# Altium PCB Mainboard.PcbDoc (part 2 of 4)
Units mm, origin at the board's own origin, x right, y up, seen from the top; angles counter-clockwise.
Board outline 90 x 160 mm, 2 copper layers (L1_Top, L14_Bot), stack 1.67 mm thick; 337 components, 184 nets, 933 pads, 776 vias.
Unrouted connection lines stored in the file: 3.
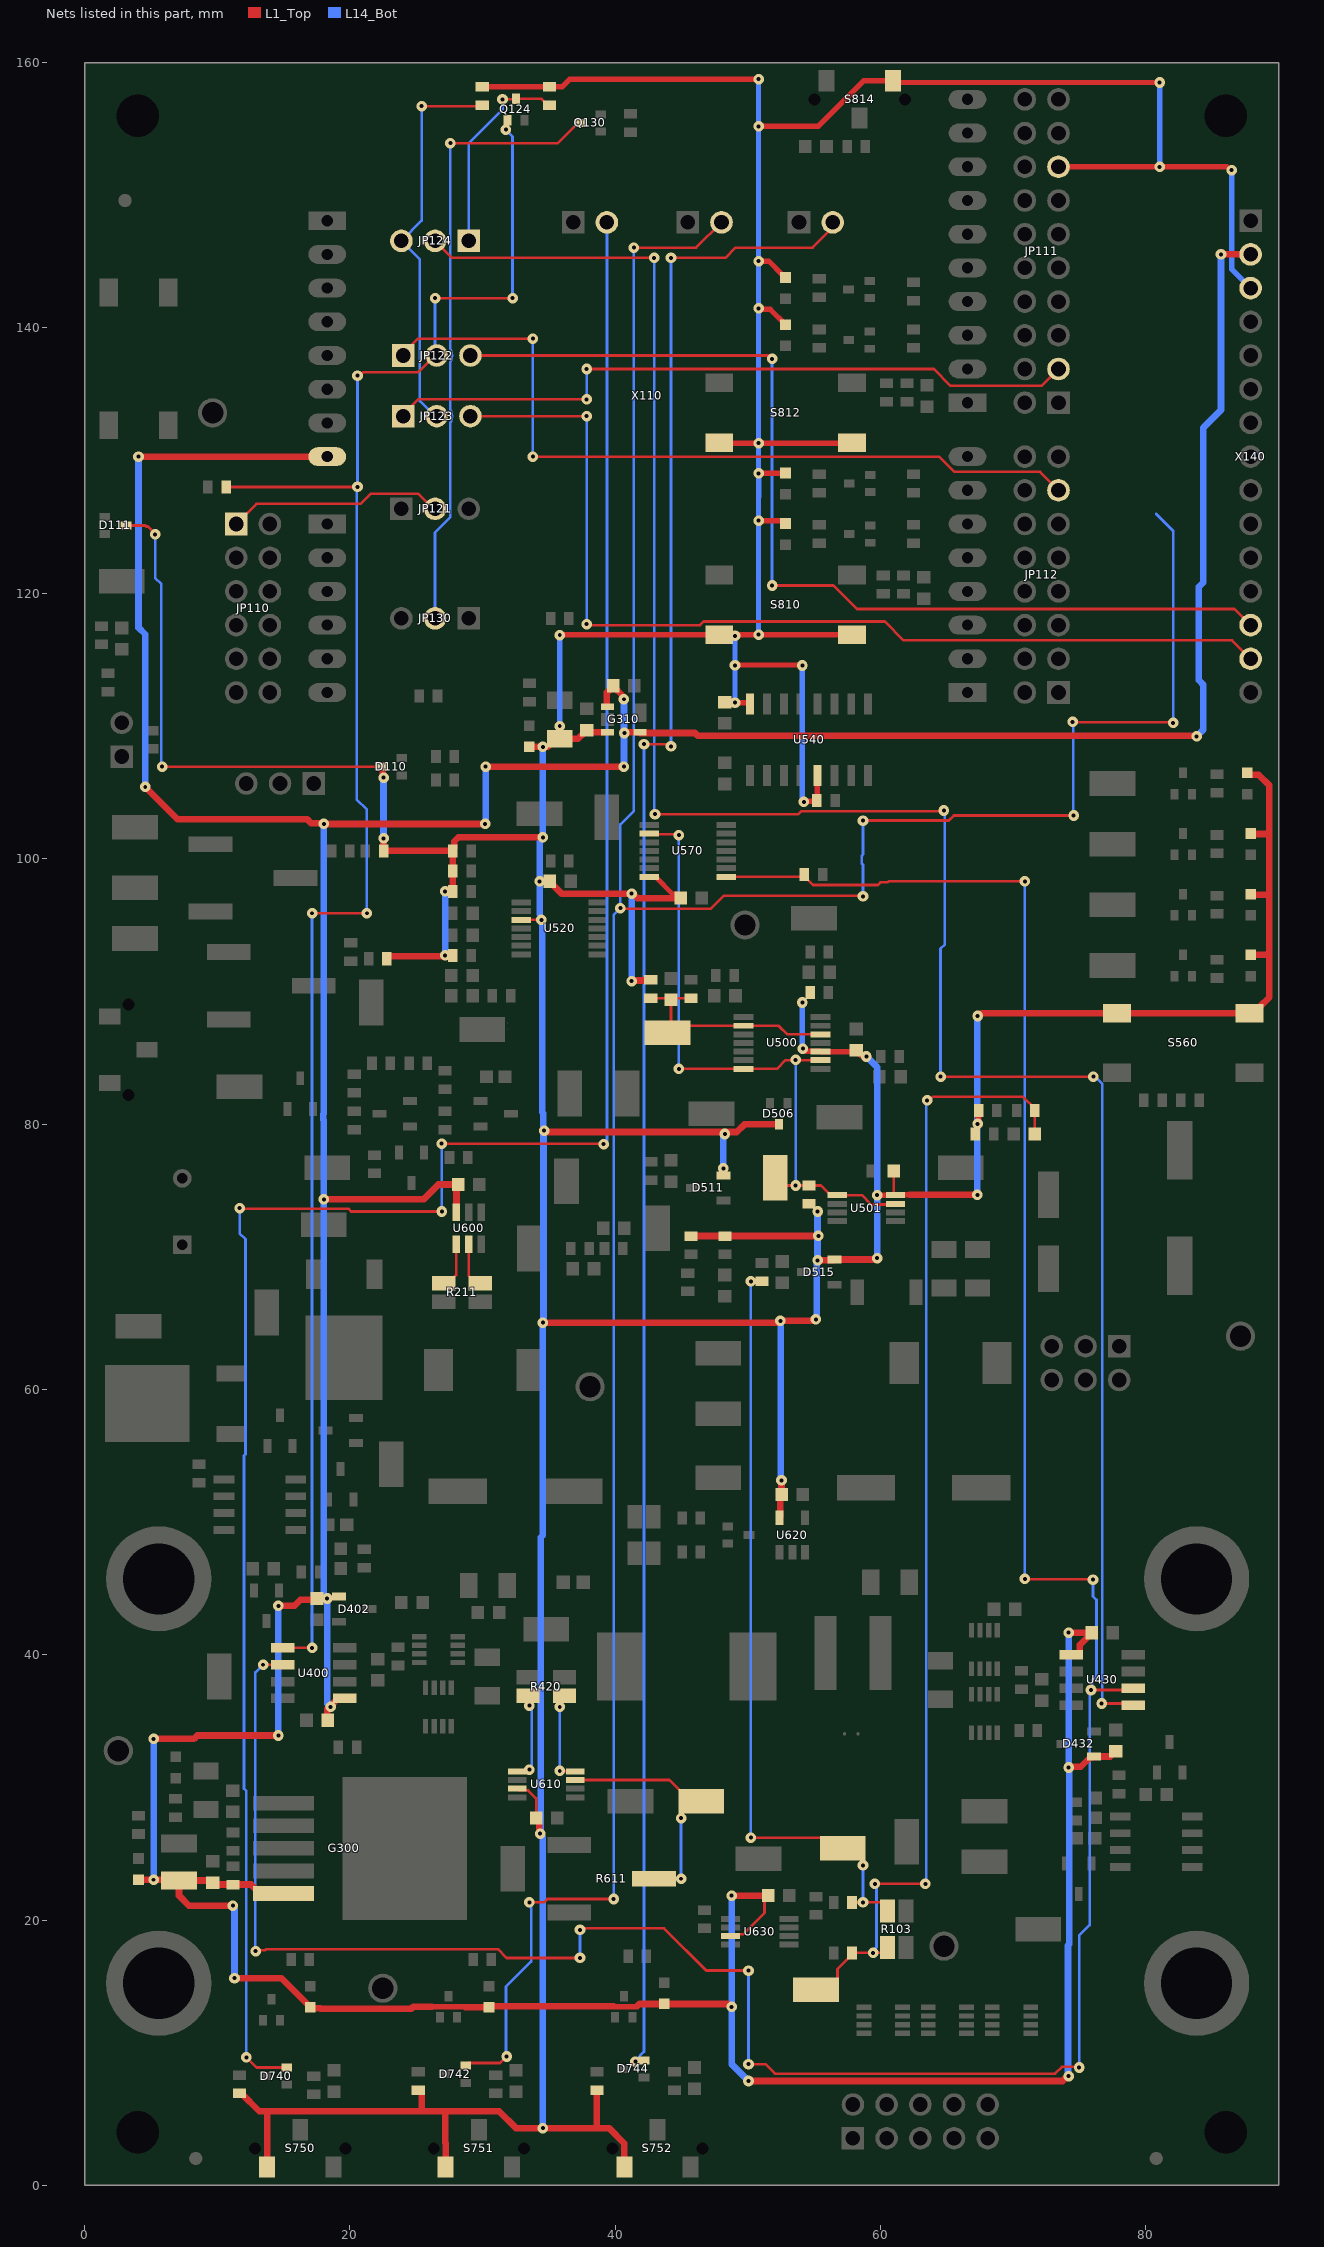
[diagram p2: the nets of this part, all layers, seen from the top]

## Part data
C204 C411 C441: library part 309974, "CAP / CERA / 10nF / 50V / 10% / X8R (EIA) / -55°C to 150°C / 0603(1608) / SMD / -", Legacy PartNumber=CAP01010834, Manufacturer="TDK Corporation", Package Description="Capacitor,non-polarized,Chip;1.60mm L X 0.80mm W X 0.90mm H", Package Imperial=0603, Package Metric=1608, Supplier Part Number 1=1844454, Temperature max=150, Temperature min=-55, Temperature Range=Military, Tolerance Neg=10%, Voltage DC (max)=50V, Alternate View=Yes, Article Number=309974, Automotive Qualified=No, Combined Parameters="TC:X8R (EIA);Tol.:-10%/+10%;Vdc:50V", ComponentLink1Description="Vendor WebSite", ComponentLink1URL=http://www.tdk.com, ComponentLink2Description=Datasheet, ComponentLink2URL=http://webnetprod.muc.infineon.com/PCBPortal_Prod/WorkFlows/AltiumComponent/StandardDocumentation?Versionid=309975, ComponentStatus=Released, Legacy DeviceID=CAP01010834, Manufacturer Order Number=C1608X8R1H103K080AA, Multiple Parts=No, PackageReference="0603 (1608)", Part Type=Capacitor, PLMStatus=Active, QuickPick="10nF / 50V / 10% / X8R (EIA) / 0603 (1608)", ROHS Compliant=Y, Second Source allowed=Yes, Style=Single, Supplier 1=Farnell, Supplier 2=DigiKey, Supplier 3=Mouser, Supplier Part Number 2=445-2504-2-ND, Supplier Part Number 3=810-C1608X8R1H103K, Symbol Type="Capacitor; Single; Standard; 2 Pins", Technology=Ceramic, Tolerance Pos=10%, Type=Standard, Version Number=V01
C210: library part 646789, "CAP / ELCO / 1mF / 35V / 20% / Aluminiumelectrolytic / -40°C to 105°C / 5.00mm C X 0.60mm W 13.00mm Dia X 27.00mm H / - / -", Manufacturer=Kemet, Package Description="Capacitor,polarized,Radial;5.00mm C X 0.60mm W 13.00mm Dia X 27.00mm H", Supplier Part Number 1=2835188, Temperature max=105, Temperature min=-40, Temperature Range=Industrial, Tolerance Neg=20%, Voltage DC (max)=35V, Alternate View=Yes, Application=Standard, Article Number=646789, Automotive Qualified=No, Combined Parameters=TC:Aluminiumelectrolytic;Tol.:-20%/+20%;Vdc:35V, ComponentLink1Description="Vendor WebSite", ComponentLink1URL=http://www.kemet.com, ComponentLink2Description=Datasheet, ComponentLink2URL=http://webnetprod.muc.infineon.com/PCBPortal_Prod/WorkFlows/AltiumComponent/StandardDocumentation?Versionid=646790, ComponentStatus=Released, Manufacturer Order Number=ESY108M035AL4AA, Multible Parts=No, PackageReference=Radial, Part Type=Capacitor, PLMStatus=Active, QuickPick="1mF / 35V / 20% / Aluminiumelectrolytic / Radial", ROHS Compliant=Y, Second Source allowed=Yes, Style=Single, Supplier 1=Farnell, Supplier 2=DigiKey, Supplier 3=Mouser, Supplier Part Number 2=399-6120-ND, Supplier Part Number 3=80-ESY108M035AL4AA, Symbol Type="Capacitor; Single; Polarized; 2 Pins; Pin 1 Positive", Technology=Electrolytic, Tolerance Pos=20%, Type=Polarized, Version Number=V01
C211 C702 C710: library part 646791, "CAP / ELCO / 220uF / 50V / 20% / Aluminiumelectrolytic / -55°C to 105°C / 10.30mm L X 10.30mm W X 10.50mm H / SMD / -", Manufacturer="Wurth Elektronik", Package Description="Capacitor,Aluminum Electrolytic;10.30mm L X 10.30mm W X 10.50mm H", Supplier Part Number 1=2466345, Temperature max=105, Temperature min=-55, Temperature Range=Military, Tolerance Neg=20%, Voltage DC (max)=50V, Alternate View=Yes, Application=Standard, Article Number=646791, Automotive Qualified=No, Combined Parameters=TC:Aluminiumelectrolytic;Tol.:-20%/+20%;Vdc:50V, ComponentLink1Description="Vendor WebSite", ComponentLink1URL=http://www.we-online.com, ComponentLink2Description=Datasheet, ComponentLink2URL=http://webnetprod.muc.infineon.com/PCBPortal_Prod/WorkFlows/AltiumComponent/StandardDocumentation?Versionid=646792, ComponentStatus=Released, Manufacturer Order Number=865080657018, Multible Parts=No, PackageReference=SMD, Part Type=Capacitor, PLMStatus=Active, QuickPick="220uF / 50V / 20% / Aluminiumelectrolytic / SMD", ROHS Compliant=Y, Second Source allowed=Yes, Style=Single, Supplier 1=Farnell, Supplier 2=DigiKey, Supplier 3=Mouser, Supplier Part Number 2=732-8463-1-ND, Supplier Part Number 3=710-865080657018, Symbol Type="Capacitor; Single; Polarized; 2 Pins; Pin 1 Positive", Technology=Electrolytic, Tolerance Pos=20%, Type=Polarized, Version Number=V01
C212 C300 C312 C404 C434 C701 C712 C713: library part 648992, "CAP / CERA / 10uF / 50V / 20% / X5R (EIA) / -55°C to 85°C / 1206 (3216) / SMD / -", Manufacturer="Taiyo Yuden", Package Description="Capacitor,non-polarized,Chip;3.20mm L X 1.60mm W X 1.90mm H", Supplier Part Number 1=2779059, Temperature max=85, Temperature min=-55, Temperature Range=Military, Tolerance Neg=20%, Voltage DC (max)=50V, Alternate View=Yes, Application=Standard, Article Number=648992, Automotive Qualified=No, Combined Parameters="TC:X5R (EIA);Tol.:-20%/+20%;Vdc:50V", ComponentLink1Description="Vendor WebSite", ComponentLink1URL=http://www.yuden.co.jp/or/product/, ComponentLink2Description=Datasheet, ComponentLink2URL=http://webnetprod.muc.infineon.com/PCBPortal_Prod/WorkFlows/AltiumComponent/StandardDocumentation?Versionid=648993, ComponentStatus=Released, Manufacturer Order Number=UMK316BBJ106ML-T, Multiple Parts=No, PackageReference="1206 (3216)", Part Type=Capacitor, PLMStatus=Active, QuickPick="10uF / 50V / 20% / X5R (EIA) / 1206 (3216)", ROHS Compliant=Y, Second Source allowed=Yes, Style=Single, Supplier 1=Farnell, Supplier 2=DigiKey, Supplier 3=Mouser, Supplier Part Number 2=587-3248-1-ND, Supplier Part Number 3=963-UMK316BBJ106ML-T, Symbol Type="Capacitor; Single; Standard; 2 Pins", Technology=Ceramic, Tolerance Pos=20%, Type=Standard, Version Number=V00
C213 C214 C215 C221 C301 C302 C310 C311 C400 C402 C403 C410 C430 C432 C433 C440 C500 C501 C503 C505 C506 C507 C510 C514 C520 C523 C526 C530 C533 C540 C562 C570 C600 C610 C620 C630 C700 C722 C750 C751 C752 C811 C813 C814: library part 479045, "CAP / CERA / 100nF / 50V / 10% / X7R (EIA) / -55°C to 125°C / 0603 / SMD / -", Manufacturer=AVX, Package Description="Capacitor,non-polarized,Chip;1.60mm L X 0.81mm W X 0.90mm H", Supplier Part Number 1=2280883, Temperature max=125, Temperature min=-55, Temperature Range=Military, Tolerance Neg=10%, Voltage DC (max)=50V, Alternate View=Yes, Application=Standard, Article Number=479045, Automotive Qualified=No, Combined Parameters="TC:X7R (EIA);Tol.:-10%/+10%;Vdc:50V", ComponentLink1Description="Vendor WebSite", ComponentLink1URL=http://www.avx.com, ComponentLink2Description=Datasheet, ComponentLink2URL=http://webnetprod.muc.infineon.com/PCBPortal_Prod/WorkFlows/AltiumComponent/StandardDocumentation?Versionid=479046, ComponentStatus=Released, Manufacturer Order Number=06035C104KAT2A, Multiple Parts=No, PackageReference=0603, Part Type=Capacitor, PLMStatus=Active, QuickPick="100nF / 50V / 10% / X7R (EIA) / 0603", ROHS Compliant=Y, Second Source allowed=Yes, Style=Single, Supplier 1=Farnell, Supplier 2=DigiKey, Supplier 3=Mouser, Supplier Part Number 2=478-5052-2-ND, Supplier Part Number 3=581-06035C104KAT2A, Symbol Type="Capacitor; Single; Standard; 2 Pins", Technology=Ceramic, Tolerance Pos=10%, Type=Standard, Version Number=V01
C303: library part 648990, "CAP / CERA / 22uF / 25V / 10% / X5R (EIA) / -55°C to 85°C / 1210(3225) / SMD / -", Manufacturer="Taiyo Yuden", Package Description="Capacitor,non-polarized,Chip;3.20mm L X 2.50mm W X 2.70mm H", Temperature max=85, Temperature min=-55, Temperature Range=Military, Tolerance Neg=10%, Voltage DC (max)=25V, Alternate View=Yes, Application=Standard, Article Number=648990, Automotive Qualified=No, Combined Parameters="TC:X5R (EIA);Tol.:-10%/+10%;Vdc:25V", ComponentLink1Description="Vendor WebSite", ComponentLink1URL=http://www.yuden.co.jp/or/product/, ComponentLink2Description=Datasheet, ComponentLink2URL=http://webnetprod.muc.infineon.com/PCBPortal_Prod/WorkFlows/AltiumComponent/StandardDocumentation?Versionid=648991, ComponentStatus=Released, Manufacturer Order Number=TMK325BJ226KM-P, Multiple Parts=No, PackageReference=1210(3225), Part Type=Capacitor, PLMStatus=Active, QuickPick="22uF / 25V / 10% / X5R (EIA) / 1210(3225)", ROHS Compliant=Y, Second Source allowed=Yes, Style=Single, Supplier 1=Farnell, Supplier 2=DigiKey, Supplier 3=Mouser, Supplier Part Number 2=587-5951-1-ND, Supplier Part Number 3=963-TMK325BJ226KM-P, Symbol Type="Capacitor; Single; Standard; 2 Pins", Technology=Ceramic, Tolerance Pos=10%, Type=Standard, Version Number=V00
C412 C442: library part 527788, "CAP / CERA / 1nF / 50V / 10% / X7R (EIA) / -55°C to 125°C / 0603 (1608) / SMD / -", Manufacturer="Wurth Elektronik", Package Description="Capacitor,non-polarized,Chip;1.60mm L X 0.80mm W X 0.87mm H", Supplier Part Number 1=2495178, Temperature max=125, Temperature min=-55, Temperature Range=Military, Tolerance Neg=10%, Voltage DC (max)=50V, Alternate View=Yes, Application=Standard, Article Number=527788, Automotive Qualified=No, Combined Parameters="TC:X7R (EIA);Tol.:-10%/+10%;Vdc:50V", ComponentLink1Description="Vendor WebSite", ComponentLink1URL=http://www.we-online.com, ComponentLink2Description=Datasheet, ComponentLink2URL=http://webnetprod.muc.infineon.com/PCBPortal_Prod/WorkFlows/AltiumComponent/StandardDocumentation?Versionid=527789, ComponentStatus=Released, Manufacturer Order Number=885012206083, Multiple Parts=No, PackageReference="0603 (1608)", Part Type=Capacitor, PLMStatus=Active, QuickPick="1nF / 50V / 10% / X7R (EIA) / 0603 (1608)", ROHS Compliant=Y, Second Source allowed=Yes, Style=Single, Supplier 1=Farnell, Supplier 2=DigiKey, Supplier 3=Mouser, Supplier Part Number 2=732-8001-1-ND, Supplier Part Number 3=710-885012206083, Symbol Type="Capacitor; Single; Standard; 2 Pins", Technology=Ceramic, Tolerance Pos=10%, Type=Standard, Version Number=V01
C511 C515: library part 252438, "CAP / CERA / 22pF / 50V / 10% / C0G (EIA) / NP0 / -55°C to 125°C / 0603 / SMD / -", Legacy PartNumber=CAP00400027, Manufacturer=AVX, Package Description="Capacitor,non-polarized,Chip;1.60mm L X 0.81mm W X 0.90mm H", Temperature max=125, Temperature min=-55, Temperature Range=Military, Tolerance Neg=10%, Voltage DC (max)=50V, Alternate View=Yes, Article Number=252438, Automotive Qualified="AEC Q200", Combined Parameters="TC:C0G (EIA) / NP0;Tol.:-10%/+10%;Vdc:50V", ComponentLink1Description="Vendor WebSite", ComponentLink1URL=http://www.avx.com, ComponentLink2Description=Datasheet, ComponentLink2URL=http://webnetprod.muc.infineon.com/PCBPortal_Prod/WorkFlows/AltiumComponent/StandardDocumentation?Versionid=252439, ComponentStatus=Released, Legacy DeviceID=CAP00400027, Manufacturer Order Number=06035A220K4T2A, Multiple Parts=No, PackageReference=0603, Part Type=Capacitor, PLMStatus=Active, QuickPick="22pF / 50V / 10% / C0G (EIA) / NP0 / 0603", ROHS Compliant=Y, Second Source allowed=Yes, Style=Single, Supplier 1=Farnell, Supplier 2=DigiKey, Supplier 3=Mouser, Supplier Part Number 2=06035A220K4T2A-ND, Supplier Part Number 3=581-06035A220K4T2A, Symbol Type="Capacitor; Single; Standard; 2 Pins", Technology=Ceramic, Tolerance Pos=10%, Type=Standard, Version Number=V01
C711: library part 647563, "CAP / ELCO / 47uF / 50V / 20% / Aluminiumelectrolytic / -55°C to 105°C / 6.60mm L X 6.60mm W X 7.70mm H / SMD / -", Manufacturer="Wurth Elektronik", Package Description="Capacitor,Aluminum Electrolytic;6.60mm L X 6.60mm W X 7.70mm H", Supplier Part Number 1=2466338, Temperature max=105, Temperature min=-55, Temperature Range=Military, Tolerance Neg=20%, Voltage DC (max)=50V, Alternate View=Yes, Application=Standard, Article Number=647563, Automotive Qualified=No, Combined Parameters=TC:Aluminiumelectrolytic;Tol.:-20%/+20%;Vdc:50V, ComponentLink1Description="Vendor WebSite", ComponentLink1URL=http://www.we-online.com, ComponentLink2Description=Datasheet, ComponentLink2URL=http://webnetprod.muc.infineon.com/PCBPortal_Prod/WorkFlows/AltiumComponent/StandardDocumentation?Versionid=647564, ComponentStatus=Released, Manufacturer Order Number=865080645012, Multible Parts=No, PackageReference=SMD, Part Type=Capacitor, PLMStatus=Active, QuickPick="47uF / 50V / 20% / Aluminiumelectrolytic / SMD", ROHS Compliant=Y, Second Source allowed=Yes, Style=Single, Supplier 1=Farnell, Supplier 2=DigiKey, Supplier 3=Mouser, Supplier Part Number 2=732-8457-1-ND, Supplier Part Number 3=710-865080645012, Symbol Type="Capacitor; Single; Polarized; 2 Pins; Pin 1 Positive", Technology=Electrolytic, Tolerance Pos=20%, Type=Polarized, Version Number=V01
D110 D111 D506: library part 592214, "Silicon Schottky Diode, VR 30V", Manufacturer="Infineon Technologies", Package Description="SOT,0.65mm pitch;3 pin,1.25mm W X 2.00mm L X 1.00mm H body", Supplier Part Number 1=2787840, Temperature max=150, Temperature min=0, Temperature Range=Military, Voltage DC (max)=na, Application=Protection, Article Number=592214, Automotive Qualified="AEC Q101", Combined Parameters=Vf:800mV;If:200mA;Ur:30V;Ir:2uA;Pmax:230mW, ComponentLink1Description="Vendor WebSite", ComponentLink1URL=https://www.infineon.com/, ComponentLink2Description=Datasheet, ComponentLink2URL=http://webnetprod.muc.infineon.com/PCBPortal_Prod/WorkFlows/AltiumComponent/StandardDocumentation?Versionid=592215, ComponentStatus=Released, Manufacturer Order Number=BAT54-05W, PackageReference=PG-SOT323-3-1, Part Type=Diode, PLMStatus=Active, QuickPick="Schottky Diode / PG-SOT323-3-1", ROHS Compliant=Y, Second Source allowed=Yes, Style=Single, Supplier 1=Farnell, Supplier 2=DigiKey, Supplier 3=Mouser, Supplier Part Number 2=BAT5405WH6327XTSA1TR-ND, Symbol Type="Dual Diode Symbol 3 Pins, 1 Anode, 2 Anode, 3 Cathode", Type="Schottky Diode", Version Number=V01
D200 D201 D202: library part 391041, "Zener Voltage Regulator, 250 mW, 12V", Manufacturer="ON Semiconductor", Package Description="SOT,0.95mm pitch;3 pin,1.30mm W X 2.92mm L X 1.11mm H body", Supplier Part Number 1=1459049, Temperature max=150, Temperature min=-65, Temperature Range=Military, Voltage DC (max)=na, Alternate View=Yes, Application=Standard, Article Number=391041, Automotive Qualified=No, Combined Parameters=Vf:900mV;If:10mA;Ur:8V;Ir:100nA;Pmax:250mW, ComponentLink1Description="Vendor WebSite", ComponentLink1URL=http://onsemi.com/, ComponentLink2Description=Datasheet, ComponentLink2URL=http://webnetprod.muc.infineon.com/PCBPortal_Prod/WorkFlows/AltiumComponent/StandardDocumentation?Versionid=391042, ComponentStatus=Released, Manufacturer Order Number=BZX84C12LT1G, Multiple Parts=No, PackageReference=SOT-23(TO-236), Part Type=Diode, PLMStatus=Active, QuickPick="Zener Diode / SOT-23(TO-236)", ROHS Compliant=Y, Second Source allowed=Yes, Style=Single, Supplier 1=Farnell, Supplier 2=DigiKey, Supplier 3=Mouser, Supplier Part Number 2=BZX84C12LT1GOSCT-ND, Supplier Part Number 3=863-BZX84C12LT1G, Symbol Type="Standard Zener Diode, 3 Pins, 1 Anode, 2 Not Connected, 3 Cathode", Type="Zener Diode", Version Number=V01
D203: library part 391066, "Zener Voltage Regulators", Manufacturer="ON Semiconductor", Package Description="SOT,0.95mm pitch;3 pin,1.30mm W X 2.92mm L X 1.11mm H body", Supplier Part Number 1=2463492, Temperature max=105, Temperature min=-65, Temperature Range=Military, Voltage DC (max)=na, Alternate View=Yes, Application="Power Electronics", Article Number=391066, Automotive Qualified=No, Combined Parameters=Vf:900mV;If:10mA;Ur:14V;Ir:50nA;Pmax:250mW, ComponentLink1Description="Vendor WebSite", ComponentLink1URL=http://onsemi.com/, ComponentLink2Description=Datasheet, ComponentLink2URL=http://webnetprod.muc.infineon.com/PCBPortal_Prod/WorkFlows/AltiumComponent/StandardDocumentation?Versionid=391067, ComponentStatus=Released, Manufacturer Order Number=BZX84C20LT1G, Multiple Parts=No, PackageReference=SOT-23, Part Type=Diode, PLMStatus=Active, QuickPick="Zener Diode / SOT-23", ROHS Compliant=Y, Second Source allowed=Yes, Style=Single, Supplier 1=Farnell, Supplier 2=DigiKey, Supplier 3=Mouser, Supplier Part Number 2=BZX84C20LT1GOSCT-ND, Supplier Part Number 3=863-BZX84C20LT1G, Symbol Type="Standard Zener Diode, 3 Pins, 1 Anode, 2 Not Connected, 3 Cathode", Type="Zener Diode", Version Number=V01
D204: library part 644060, "ATL431 Adjustable Precision Shunt Regulator", Manufacturer="Texas Instruments", Package Description="SOT,0.95mm pitch;3 pin,1.30mm W X 2.92mm L X 1.12mm H body", Temperature max=125, Temperature min=-40, Temperature Range=Automotive, Voltage DC (max)=na, Article Number=644060, Automotive Qualified=No, Combined Parameters="- -;Vdc min/max:-;Iout:-;Fmax:-", ComponentLink1Description="Vendor WebSite", ComponentLink1URL=http://www.ti.com, ComponentLink2Description=Datasheet, ComponentLink2URL=http://webnetprod.muc.infineon.com/PCBPortal_Prod/WorkFlows/AltiumComponent/StandardDocumentation?Versionid=644061, ComponentStatus=Released, Legacy DeviceID=TI_ATL431AQDBZR, Manufacturer Order Number=ATL431AQDBZR, PackageReference="SOT23-3 (DBZ)", Part Type="Integrated Circuit", PLMStatus=Active, QuickPick="SOT23-3 (DBZ)", ROHS Compliant=Y, Second Source allowed=Yes, Supplier 1=Farnell, Supplier 2=DigiKey, Supplier 3=Mouser, Supplier Part Number 2=296-47201-1-ND, Supplier Part Number 3=595-ATL431AQDBZR, Symbol Type="TVS Diode Symbol, 1 Cathode, 2 Reference , 3 Anode", Version Number=V01
D211: library part 646382, "TVS Diode, Low Profile Package, Built in Strain Relief, Glass Passivated Chip Junction", Manufacturer=Littelfuse, Package Description="Diode,Molded Body;7.94mm L X 5.905mm W X 2.62mm H", Supplier Part Number 1=2777300, Temperature max=150, Temperature min=-65, Temperature Range=Military, Voltage DC (max)=na, Application=Standard, Article Number=646382, Automotive Qualified=No, Combined Parameters=Vf:5V;If:-;Ur:20V;Ir:2uA;Pmax:6.5W, ComponentLink1Description="Vendor WebSite", ComponentLink1URL=http://www.littelfuse.com/, ComponentLink2Description=Datasheet, ComponentLink2URL=http://webnetprod.muc.infineon.com/PCBPortal_Prod/WorkFlows/AltiumComponent/StandardDocumentation?Versionid=646383, ComponentStatus=Released, Manufacturer Order Number=SMDJ20A, PackageReference=DO-214AB, Part Type=Diode, PLMStatus=Active, QuickPick="TVS Diode / DO-214AB", ROHS Compliant=Y, Second Source allowed=Yes, Style=Single, Supplier 1=Farnell, Supplier 2=DigiKey, Supplier 3=Mouser, Supplier Part Number 2=SMDJ20ACT-ND, Supplier Part Number 3=576-SMDJ20A, Symbol Type="Transient Voltage Suppressor Diode (TVS, TAZ), 1 Cathode, 2 Anode", Type="TVS Diode", Version Number=V01
D320 D330 D340 D550 D551 D552 D553 D741 D743 D745 D801 D803 D805 D807: library part 625459, "WL-SMCW SMT Mono-color Chip LED Waterclear, Red,630nm", Manufacturer="Wurth Elektronik", Package Description="LED,Side Concave; 2 pin,1.60mm W X 0.80mm L X 0.80mm H", Supplier Part Number 1=2322071, Temperature max=85, Temperature min=-40, Temperature Range=Industrial, Voltage DC (max)=na, Application=Standard, Article Number=625459, Automotive Qualified=No, Combined Parameters=Vf:2.4V;If:30mA;Ur:5V;Ir:10uA;Pmax:72mW, ComponentLink1Description="Vendor WebSite", ComponentLink1URL=http://www.we-online.com, ComponentLink2Description=Datasheet, ComponentLink2URL=http://webnetprod.muc.infineon.com/PCBPortal_Prod/WorkFlows/AltiumComponent/StandardDocumentation?Versionid=625460, ComponentStatus=Released, Manufacturer Order Number=150060RS75000, PackageReference="1608 (0603)", Part Type=Diode, PLMStatus=Active, QuickPick="LED / 1608 (0603)", ROHS Compliant=Y, Second Source allowed=Yes, Style=Single, Supplier 1=Farnell, Supplier 2=DigiKey, Supplier 3=Mouser, Supplier Part Number 2=732-4978-1-ND, Supplier Part Number 3=710-150060RS75000, Symbol Type="Standard LED Symbol, 1 Cathode, 2 Anode", Type=LED, Version Number=V01
D402 D411 D432 D441 D511 D515: library part 423882, "Silicon Schottky Diode", Legacy PartNumber=IFX01400573, Manufacturer="Infineon Technologies", Package Description="SOT,0.95mm pitch;3 pin,1.30mm W X 2.90mm L X 1.10mm H body", Supplier Part Number 1=1056501, Temperature max=125, Temperature min=-55, Temperature Range=Military, Voltage DC (max)=na, Application=Standard, Article Number=423882, Automotive Qualified="AEC Q101", Combined Parameters=Vf:880mV;If:70mA;Ur:70V;Ir:100nA;Pmax:250mW, ComponentLink1Description="Vendor WebSite", ComponentLink1URL=https://www.infineon.com/, ComponentLink2Description=Datasheet, ComponentLink2URL=http://webnetprod.muc.infineon.com/PCBPortal_Prod/WorkFlows/AltiumComponent/StandardDocumentation?Versionid=423883, ComponentStatus=Released, Legacy DeviceID=IFX01400573, Manufacturer Order Number=BAS70-04, PackageReference=SOT23, Part Type=Diode, PLMStatus=Active, QuickPick="Schottky Diode / SOT23", ROHS Compliant=Y, Second Source allowed=Yes, Style=Single, Supplier 1=Farnell, Supplier 2=DigiKey, Supplier 3=Mouser, Supplier Part Number 2=BAS7004E6327HTSA1TR-ND, Supplier Part Number 3=726-BAS7004E6327HTSA, Symbol Type="Dual Diode Symbol 3 Pins, 1 Anode , 2 Cathode, 3 Anode, Cathode", Type="Schottky Diode", Version Number=V01
D410 D440: library part 647311, "Zener Voltage Regulator, 250 mW, They are well suited for applications such as cellular phones, hand held portables, and high density PC boards", Manufacturer="ON Semiconductor", Package Description="SOT,0.95mm pitch;3 pin,1.30mm W X 2.92mm L X 1.11mm H body", Supplier Part Number 1=3606894, Temperature max=150, Temperature min=-65, Temperature Range=Military, Voltage DC (max)=na, Alternate View=Yes, Application=Standard, Article Number=647311, Automotive Qualified=No, Combined Parameters=Vf:900mV;If:10mA;Ur:10.5V;Ir:50nA;Pmax:250mW, ComponentLink1Description="Vendor WebSite", ComponentLink1URL=http://onsemi.com/, ComponentLink2Description=Datasheet, ComponentLink2URL=http://webnetprod.muc.infineon.com/PCBPortal_Prod/WorkFlows/AltiumComponent/StandardDocumentation?Versionid=647312, ComponentStatus=Released, Manufacturer Order Number=BZX84C15LT3G, Multiple Parts=No, PackageReference=SOT-23(TO-236), Part Type=Diode, PLMStatus=Active, QuickPick="Zener Diode / SOT-23(TO-236)", ROHS Compliant=Y, Second Source allowed=Yes, Style=Single, Supplier 1=Farnell, Supplier 2=DigiKey, Supplier 3=Mouser, Supplier Part Number 2=BZX84C15LT3GOSCT-ND, Supplier Part Number 3=863-BZX84C15LT3G, Symbol Type="Standard Zener Diode, 3 Pins, 1 Anode, 2 Not Connected, 3 Cathode", Type="Zener Diode", Version Number=V01
D620 D740 D742 D744: library part 646372, "Silicon Schottky Diodes", Manufacturer="Infineon Technologies", Package Description="SOT,0.65mm pitch;3 pin,1.25mm W X 2.00mm L X 1.00mm H body", Supplier Part Number 1=2787842, Temperature max=150, Temperature min=-65, Temperature Range=Military, Voltage DC (max)=na, Application=Standard, Article Number=646372, Automotive Qualified="AEC Q101", Combined Parameters=Vf:800mV;If:200mA;Ur:30V;Ir:2uA;Pmax:230mW, ComponentLink1Description="Vendor WebSite", ComponentLink1URL=https://www.infineon.com/, ComponentLink2Description=Datasheet, ComponentLink2URL=http://webnetprod.muc.infineon.com/PCBPortal_Prod/WorkFlows/AltiumComponent/StandardDocumentation?Versionid=646373, ComponentStatus=Released, Manufacturer Order Number=BAT54-06W, PackageReference=PG-SOT323-3-1, Part Type=Diode, PLMStatus=Active, QuickPick="Schottky Diode / PG-SOT323-3-1", ROHS Compliant=Y, Second Source allowed=Yes, Style=Dual, Supplier 1=Farnell, Supplier 2=DigiKey, Supplier 3=Mouser, Supplier Part Number 2=BAT5406WH6327XTSA1TR-ND, Symbol Type="Dual Diode Symbol 3 Pins, 1 Cathode, 2 Cathode, 3 Anode", Type="Schottky Diode", Version Number=V01
D730: library part 646377, "Surface Mount Transient Voltage Suppressors, Unidirectional, Very Fast Response Time", Manufacturer=Vishay, Package Description="Diode,Molded Body;7.94mm L X 5.905mm W X 2.62mm H", Temperature max=150, Temperature min=-55, Temperature Range=Military, Voltage DC (max)=na, Application=Switching, Article Number=646377, Automotive Qualified="AEC Q101", Combined Parameters=Vf:-;If:-;Ur:40V;Ir:-;Pmax:5kW, ComponentLink1Description="Vendor WebSite", ComponentLink1URL=http://www.vishay.com, ComponentLink2Description=Datasheet, ComponentLink2URL=http://webnetprod.muc.infineon.com/PCBPortal_Prod/WorkFlows/AltiumComponent/StandardDocumentation?Versionid=646378, ComponentStatus=Released, Manufacturer Order Number=SMC5K40A-M3/I, PackageReference="SMC (DO-214AB)", Part Type=Diode, PLMStatus=Active, QuickPick="TVS Diode / SMC (DO-214AB)", ROHS Compliant=Y, Second Source allowed=Yes, Style=Single, Supplier 1=Farnell, Supplier 2=DigiKey, Supplier 3=Mouser, Supplier Part Number 2=SMC5K40A-M3/IGICT-ND, Supplier Part Number 3=78-SMC5K40A-M3/I, Symbol Type="Transient Voltage Suppressor Diode (TVS, TAZ), 1 Cathode, 2 Anode", Type="TVS Diode", Version Number=V01
D731: library part 646087, "DIODE SCHOTTKY 60V 3A SOD128", Manufacturer=Nexperia, Package Description="SODFL Diode;3.80mm W X 2.50mm L X 1.10mm H body", Supplier Part Number 1=2311228, Temperature max=175, Temperature min=-55, Temperature Range=Military, Voltage DC (max)=na, Application=Standard, Article Number=646087, Automotive Qualified="AEC Q101", Combined Parameters=Vf:530mV;If:4.2A;Ur:60V;Ir:200uA;Pmax:750mW, ComponentLink1Description="Vendor WebSite", ComponentLink1URL=http://www.nexperia.com, ComponentLink2Description=Datasheet, ComponentLink2URL=http://webnetprod.muc.infineon.com/PCBPortal_Prod/WorkFlows/AltiumComponent/StandardDocumentation?Versionid=646088, ComponentStatus=Released, Manufacturer Order Number=PMEG6030ETPX, PackageReference=SOD128, Part Type=Diode, PLMStatus=Active, QuickPick="Schottky Diode / SOD128", ROHS Compliant=Y, Second Source allowed=Yes, Style=Single, Supplier 1=Farnell, Supplier 2=DigiKey, Supplier 3=Mouser, Supplier Part Number 2=1727-1348-1-ND, Supplier Part Number 3=771-PMEG6030ETPX, Symbol Type="Standard Schottky Diode Symbol, 1 Cathode, 2 Anode", Type="Schottky Diode", Version Number=V01
E100 E101 E102: library part 416637, "Fiducial Mark", Legacy PartNumber=MEC10000008, Manufacturer="Infineon Technologies", Temperature max=0, Temperature Range=Military, Voltage DC (max)=na, Alternate View=No, Article Number=416637, Combined Parameters="- - -x- -", ComponentLink1Description="Vendor WebSite", ComponentLink1URL=https://www.infineon.com/, ComponentLink2Description=Datasheet, ComponentLink2URL=http://webnetprod.muc.infineon.com/PCBPortal_Prod/WorkFlows/AltiumComponent/StandardDocumentation?Versionid=416638, ComponentStatus=Released, Legacy DeviceID=MEC_Fiducial_Mark, Multible Parts=No, Part Type=Mechanical, PLMStatus=Active, Second Source allowed=Yes, Supplier 1=Farnell, Supplier 2=DigiKey, Supplier 3=Mouser, Symbol Type="Fiducial Marker For PCB", Temperature min=0, Version Number=V01
G300: library part 617366, "Monolithic integrated low dropout voltage regulator", Manufacturer="Infineon Technologies", Package Description="TO,1.70mm pitch;5 pin,15.00mm L X 9.25mm W X 4.50mm H body", Supplier Part Number 1=2710035, Temperature max=150, Temperature min=-40, Temperature Range=Automotive, Voltage DC (max)=na, Alternate View=No, Article Number=617366, Automotive Qualified=Yes, Combined Parameters="Linear - -;Vo:2.5V to 20V", ComponentLink1Description="Vendor WebSite", ComponentLink1URL=https://www.infineon.com/, ComponentLink2Description=Datasheet, ComponentLink2URL=http://webnetprod.muc.infineon.com/PCBPortal_Prod/WorkFlows/AltiumComponent/StandardDocumentation?Versionid=617367, ComponentStatus=Released, Legacy DeviceID=IFX_TLE42764GV, Manufacturer Order Number=TLE42764GV, Multiple Parts=No, PackageReference=PG-TO263-5-1, Part Type="Power Supply", PLMStatus=Active, QuickPick="Linear / PG-TO263-5-1", ROHS Compliant=Y, Second Source allowed=Yes, Supplier 1=Farnell, Supplier 2=DigiKey, Supplier 3=Mouser, Supplier Part Number 2=TLE42764GVATMA1CT-ND, Supplier Part Number 3=726-TLE42764GV, Symbol Type="Low Dropout Linear Voltage Regulator", Type=Linear, Version Number=V01
G310: library part 429892, "Fixed Linear Voltage Post Regulator, 3.3V", Legacy PartNumber=IFX01401269, Manufacturer="Infineon Technologies", Package Description="PG-SCT595, 5-Leads, Body 2.90x2.50mm, Pitch 1.90mm", Supplier Part Number 1=2780901, Temperature max=150, Temperature min=-40, Temperature Range=Automotive, Voltage DC (max)=na, Alternate View=No, Article Number=429892, Automotive Qualified=Yes, Combined Parameters="Linear Not applicable -;Vo:3.3V to 3.3V", ComponentLink1Description="Vendor WebSite", ComponentLink1URL=https://www.infineon.com/, ComponentLink2Description=Datasheet, ComponentLink2URL=http://webnetprod.muc.infineon.com/PCBPortal_Prod/WorkFlows/AltiumComponent/StandardDocumentation?Versionid=429893, ComponentStatus=Released, Legacy DeviceID=IFX_TLS202B1MBV33, Manufacturer Order Number=TLS202B1MBV33, Multiple Parts=No, PackageReference=PG-SCT595, Part Type="Power Supply", PLMStatus=Active, QuickPick="Linear / PG-SCT595", ROHS Compliant=Y, Second Source allowed=Yes, Style="Not applicable", Supplier 1=Farnell, Supplier 2=DigiKey, Supplier 3=Mouser, Supplier Part Number 2=TLS202B1MBV33HTMA1-ND, Supplier Part Number 3=726-TLS202B1MBV33HTM, Symbol Type="Fixed Linear Voltage Post Regulator", Type=Linear, Version Number=V01
JP110: library part 651705, "WR-PHD Dual Pin Header, 2.54mm Pitch, Double row, 12 Pins", Manufacturer="Wurth Elektronik", Package Description="Connector, THT, 2.54 mm pitch, 12 pin, 5.08 mm L X 15.24 mm W X 8.89 mm H body", Supplier Part Number 1=2356134, Temperature max=105, Temperature min=-40, Temperature Range=Industrial, Voltage DC (max)=na, Article Number=651705, Automotive Qualified=No, Combined Parameters="Board-to-Board Header (male);2x6;Mounting:THT;Orient:0° (vertical);Shielded:No", ComponentLink1Description="Vendor WebSite", ComponentLink1URL=http://www.we-online.com, ComponentLink2Description=Datasheet, ComponentLink2URL=http://webnetprod.muc.infineon.com/PCBPortal_Prod/WorkFlows/AltiumComponent/StandardDocumentation?Versionid=651706, ComponentStatus=Released, Legacy DeviceID=WE_61301221121, Manufacturer Order Number=61301221121, PackageReference="2.54mm THT", Part Type=Connector, PLMStatus=Active, QuickPick="0° (vertical) / Board-to-Board", ROHS Compliant=Y, Second Source allowed=Yes, Style=Strip, Supplier 1=Farnell, Supplier 2=DigiKey, Supplier 3=Mouser, Supplier Part Number 2=732-5297-ND, Supplier Part Number 3=710-61301221121, Type=Board-to-Board, Version Number=V00